# KiCad board Eclipse60.kicad_pcb (continued)
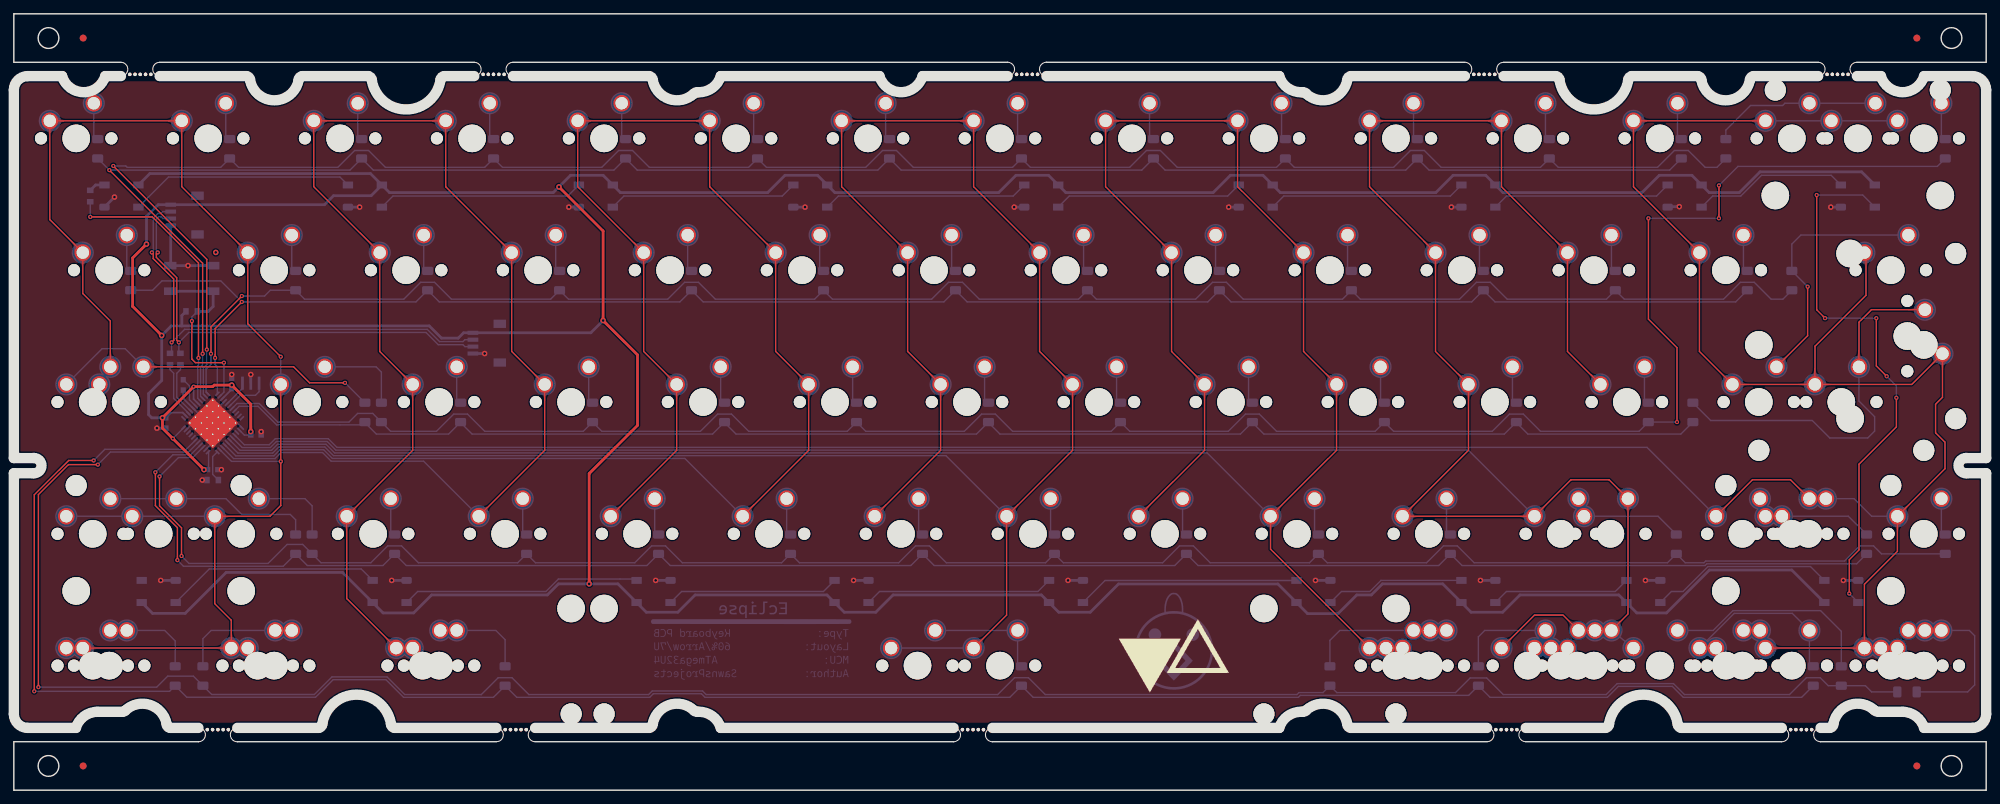
[diagram p0: board, top side]
## Copper pours and planes (outline as drawn; the poured copper is in the pictures) (continued)
C1 on Top: 53.44,22.16 53.51,22.09 53.57,22.01 53.63,21.95 53.68,21.88 53.72,21.81 53.76,21.75 53.79,21.69 53.82,21.62 53.84,21.56 53.86,21.5 53.88,21.44 53.89,21.38 53.9,21.32 53.91,21.27 53.94,20.7 53.95,20.62 53.96,20.55 53.97,20.48 53.99,20.4 54.01,20.32 54.03,20.23 54.06,20.15 55.62,20.12 55.59,21.67 55.5,21.7 55.42,21.73 55.34,21.75 55.26,21.76 55.18,21.78 55.11,21.79 55.04,21.79 54.47,21.83 54.41,21.84 54.35,21.85 54.29,21.86 54.23,21.88 54.17,21.89 54.11,21.92 54.05,21.95 53.99,21.98 53.92,22.02 53.86,22.06 53.79,22.11 53.72,22.17 53.65,22.23 53.58,22.3
C1 on Top: 48.15,37.2 48.15,37.3 48.16,37.4 48.17,37.49 48.18,37.57 48.2,37.65 48.22,37.72 48.24,37.79 48.26,37.85 48.29,37.91 48.32,37.96 48.35,38.02 48.38,38.07 48.41,38.12 48.45,38.17 48.83,38.59 48.87,38.65 48.92,38.71 48.96,38.77 49.01,38.84 49.05,38.91 49.09,38.99 49.13,39.07 48.05,40.19 46.97,39.07 47.01,38.99 47.06,38.91 47.1,38.84 47.14,38.77 47.19,38.71 47.23,38.65 47.28,38.59 47.65,38.17 47.69,38.12 47.73,38.07 47.76,38.02 47.79,37.96 47.82,37.91 47.84,37.85 47.87,37.79 47.89,37.72 47.91,37.65 47.92,37.57 47.94,37.49 47.95,37.4 47.95,37.3 47.95,37.2
C1 on Bottom: 64.78,41.77 64.87,41.68 64.96,41.58 65.03,41.49 65.1,41.4 65.16,41.31 65.21,41.22 65.25,41.14 65.28,41.06 65.31,40.97 65.34,40.89 65.36,40.81 65.38,40.73 65.39,40.65 65.4,40.57 65.4,40.49 65.41,40.41 65.42,39.99 65.43,39.9 65.43,39.8 65.44,39.71 65.46,39.61 65.47,39.51 65.49,39.4 65.52,39.29 65.55,39.18 65.59,39.06 67.67,39.02 67.63,41.1 67.51,41.14 67.4,41.17 67.29,41.2 67.18,41.22 67.08,41.24 66.98,41.25 66.89,41.26 66.8,41.27 66.7,41.27 66.28,41.28 66.2,41.29 66.12,41.3 66.04,41.3 65.96,41.32 65.88,41.33 65.8,41.35 65.72,41.38 65.64,41.41 65.55,41.44 65.47,41.49 65.38,41.54 65.29,41.6 65.2,41.66 65.11,41.74 65.02,41.82 64.92,41.92
C1 on Bottom: 65.34,41.21 65.41,41.14 65.48,41.06 65.53,41 65.58,40.93 65.63,40.86 65.66,40.8 65.7,40.74 65.72,40.67 65.75,40.61 65.77,40.55 65.78,40.49 65.8,40.43 65.81,40.37 65.81,40.32 65.85,39.75 65.86,39.67 65.87,39.6 65.88,39.53 65.9,39.45 65.92,39.37 65.94,39.28 65.97,39.2 67.53,39.17 67.5,40.72 67.41,40.75 67.33,40.78 67.24,40.8 67.17,40.81 67.09,40.83 67.02,40.84 66.95,40.84 66.38,40.88 66.32,40.89 66.26,40.9 66.2,40.91 66.14,40.93 66.08,40.94 66.02,40.97 65.96,41 65.89,41.03 65.83,41.07 65.76,41.11 65.7,41.16 65.63,41.22 65.56,41.28 65.48,41.35
C2 on Top: 110.07,75.3 110.07,75.4 110.07,75.5 110.08,75.59 110.09,75.67 110.11,75.75 110.13,75.82 110.15,75.89 110.17,75.95 110.2,76.01 110.23,76.06 110.26,76.12 110.29,76.17 110.33,76.22 110.36,76.27 110.74,76.69 110.79,76.75 110.83,76.81 110.87,76.87 110.92,76.94 110.96,77.01 111,77.09 111.05,77.17 109.97,78.29 108.89,77.17 108.93,77.09 108.97,77.01 109.01,76.94 109.06,76.87 109.1,76.81 109.14,76.75 109.19,76.69 109.57,76.27 109.6,76.22 109.64,76.17 109.67,76.12 109.7,76.06 109.73,76.01 109.76,75.95 109.78,75.89 109.8,75.82 109.82,75.75 109.84,75.67 109.85,75.59 109.86,75.5 109.86,75.4 109.87,75.3
C2 on Top: 81.49,94.35 81.49,94.45 81.5,94.55 81.51,94.64 81.52,94.72 81.53,94.8 81.55,94.87 81.57,94.94 81.6,95 81.62,95.06 81.65,95.11 81.68,95.17 81.72,95.22 81.75,95.27 81.79,95.32 82.17,95.74 82.21,95.8 82.26,95.86 82.3,95.92 82.34,95.99 82.39,96.06 82.43,96.14 82.47,96.22 81.39,97.34 80.31,96.22 80.35,96.14 80.39,96.06 80.44,95.99 80.48,95.92 80.52,95.86 80.57,95.8 80.61,95.74 80.99,95.32 81.03,95.27 81.06,95.22 81.1,95.17 81.13,95.11 81.16,95.06 81.18,95 81.21,94.94 81.23,94.87 81.25,94.8 81.26,94.72 81.27,94.64 81.28,94.55 81.29,94.45 81.29,94.35
C2 on Top: 108.2,79.31 108.28,79.24 108.34,79.16 108.39,79.1 108.44,79.03 108.49,78.96 108.53,78.9 108.56,78.84 108.59,78.77 108.61,78.71 108.63,78.65 108.65,78.59 108.66,78.53 108.67,78.47 108.68,78.42 108.71,77.85 108.72,77.77 108.73,77.7 108.74,77.63 108.76,77.55 108.78,77.47 108.8,77.38 108.83,77.3 110.39,77.27 110.36,78.82 110.27,78.85 110.19,78.88 110.11,78.9 110.03,78.91 109.95,78.93 109.88,78.94 109.81,78.94 109.24,78.98 109.18,78.99 109.12,79 109.06,79.01 109,79.03 108.94,79.04 108.88,79.07 108.82,79.1 108.76,79.13 108.69,79.17 108.63,79.21 108.56,79.26 108.49,79.32 108.42,79.38 108.35,79.45
C2 on Top: 100.54,94.35 100.54,94.45 100.55,94.55 100.56,94.64 100.57,94.72 100.58,94.8 100.6,94.87 100.62,94.94 100.65,95 100.67,95.06 100.7,95.11 100.73,95.17 100.77,95.22 100.8,95.27 100.84,95.32 101.22,95.74 101.26,95.8 101.31,95.86 101.35,95.92 101.39,95.99 101.44,96.06 101.48,96.14 101.52,96.22 100.44,97.34 99.36,96.22 99.4,96.14 99.44,96.06 99.49,95.99 99.53,95.92 99.57,95.86 99.62,95.8 99.66,95.74 100.04,95.32 100.08,95.27 100.11,95.22 100.15,95.17 100.18,95.11 100.21,95.06 100.23,95 100.26,94.94 100.28,94.87 100.3,94.8 100.31,94.72 100.32,94.64 100.33,94.55 100.34,94.45 100.34,94.35
C2 on Top: 91.02,75.3 91.02,75.4 91.02,75.5 91.03,75.59 91.04,75.67 91.06,75.75 91.08,75.82 91.1,75.89 91.12,75.95 91.15,76.01 91.18,76.06 91.21,76.12 91.24,76.17 91.28,76.22 91.31,76.27 91.69,76.69 91.74,76.75 91.78,76.81 91.82,76.87 91.87,76.94 91.91,77.01 91.95,77.09 92,77.17 90.92,78.29 89.84,77.17 89.88,77.09 89.92,77.01 89.96,76.94 90.01,76.87 90.05,76.81 90.09,76.75 90.14,76.69 90.52,76.27 90.55,76.22 90.59,76.17 90.62,76.12 90.65,76.06 90.68,76.01 90.71,75.95 90.73,75.89 90.75,75.82 90.77,75.75 90.79,75.67 90.8,75.59 90.81,75.5 90.81,75.4 90.82,75.3
C2 on Top: 93.92,60.26 93.99,60.19 94.05,60.11 94.11,60.05 94.16,59.98 94.2,59.91 94.24,59.85 94.27,59.79 94.3,59.72 94.32,59.66 94.34,59.6 94.36,59.54 94.37,59.48 94.38,59.42 94.39,59.37 94.42,58.8 94.43,58.72 94.44,58.65 94.46,58.58 94.47,58.5 94.49,58.42 94.52,58.33 94.54,58.25 96.1,58.22 96.07,59.77 95.98,59.8 95.9,59.83 95.82,59.85 95.74,59.86 95.67,59.88 95.59,59.89 95.52,59.89 94.95,59.93 94.89,59.94 94.83,59.95 94.77,59.96 94.71,59.98 94.65,59.99 94.59,60.02 94.53,60.05 94.47,60.08 94.4,60.12 94.34,60.16 94.27,60.21 94.2,60.27 94.13,60.33 94.06,60.4
C2 on Top: 87.77,41.35 87.7,41.28 87.63,41.22 87.56,41.16 87.49,41.11 87.43,41.07 87.36,41.03 87.3,41 87.24,40.97 87.18,40.94 87.12,40.93 87.06,40.91 87,40.9 86.94,40.89 86.88,40.88 86.31,40.84 86.24,40.84 86.16,40.83 86.09,40.81 86.01,40.8 85.93,40.78 85.85,40.75 85.76,40.72 85.73,39.17 87.29,39.2 87.31,39.28 87.34,39.37 87.36,39.45 87.37,39.53 87.39,39.6 87.4,39.67 87.41,39.75 87.44,40.32 87.45,40.37 87.46,40.43 87.47,40.49 87.49,40.55 87.51,40.61 87.53,40.67 87.56,40.74 87.59,40.8 87.63,40.86 87.67,40.93 87.72,41 87.78,41.06 87.84,41.14 87.91,41.21
C2 on Top: 95.78,56.25 95.78,56.35 95.78,56.45 95.79,56.54 95.81,56.62 95.82,56.7 95.84,56.77 95.86,56.84 95.89,56.9 95.91,56.96 95.94,57.01 95.97,57.07 96,57.12 96.04,57.17 96.08,57.22 96.45,57.64 96.5,57.7 96.54,57.76 96.59,57.82 96.63,57.89 96.67,57.96 96.72,58.04 96.76,58.12 95.68,59.24 94.6,58.12 94.64,58.04 94.68,57.96 94.72,57.89 94.77,57.82 94.81,57.76 94.86,57.7 94.9,57.64 95.28,57.22 95.32,57.17 95.35,57.12 95.38,57.07 95.41,57.01 95.44,56.96 95.47,56.9 95.49,56.84 95.51,56.77 95.53,56.7 95.55,56.62 95.56,56.54 95.57,56.45 95.58,56.35 95.58,56.25
C2 on Top: 106.82,41.35 106.75,41.28 106.68,41.22 106.61,41.16 106.54,41.11 106.48,41.07 106.41,41.03 106.35,41 106.29,40.97 106.23,40.94 106.17,40.93 106.11,40.91 106.05,40.9 105.99,40.89 105.93,40.88 105.36,40.84 105.29,40.84 105.21,40.83 105.14,40.81 105.06,40.8 104.98,40.78 104.9,40.75 104.81,40.72 104.78,39.17 106.34,39.2 106.36,39.28 106.39,39.37 106.41,39.45 106.42,39.53 106.44,39.6 106.45,39.67 106.46,39.75 106.49,40.32 106.5,40.37 106.51,40.43 106.52,40.49 106.54,40.55 106.56,40.61 106.58,40.67 106.61,40.74 106.64,40.8 106.68,40.86 106.72,40.93 106.77,41 106.83,41.06 106.89,41.14 106.96,41.21
C2 on Top: 114.83,56.25 114.83,56.35 114.83,56.45 114.84,56.54 114.86,56.62 114.87,56.7 114.89,56.77 114.91,56.84 114.94,56.9 114.96,56.96 114.99,57.01 115.02,57.07 115.05,57.12 115.09,57.17 115.13,57.22 115.5,57.64 115.55,57.7 115.59,57.76 115.64,57.82 115.68,57.89 115.72,57.96 115.77,58.04 115.81,58.12 114.73,59.24 113.65,58.12 113.69,58.04 113.73,57.96 113.77,57.89 113.82,57.82 113.86,57.76 113.91,57.7 113.95,57.64 114.33,57.22 114.37,57.17 114.4,57.12 114.43,57.07 114.46,57.01 114.49,56.96 114.52,56.9 114.54,56.84 114.56,56.77 114.58,56.7 114.6,56.62 114.61,56.54 114.62,56.45 114.63,56.35 114.63,56.25
C2 on Top: 83.78,96.84 83.68,96.84 83.58,96.85 83.49,96.86 83.41,96.87 83.33,96.88 83.26,96.9 83.19,96.92 83.13,96.95 83.07,96.97 83.02,97 82.96,97.03 82.91,97.07 82.86,97.1 82.81,97.14 82.39,97.52 82.33,97.56 82.27,97.61 82.21,97.65 82.14,97.69 82.07,97.74 81.99,97.78 81.91,97.82 80.79,96.74 81.91,95.66 81.99,95.7 82.07,95.74 82.14,95.79 82.21,95.83 82.27,95.87 82.33,95.92 82.39,95.96 82.81,96.34 82.86,96.38 82.91,96.41 82.96,96.45 83.02,96.48 83.07,96.51 83.13,96.53 83.19,96.56 83.26,96.58 83.33,96.6 83.41,96.61 83.49,96.62 83.58,96.63 83.68,96.64 83.78,96.64
C2 on Top: 112.97,60.26 113.04,60.19 113.1,60.11 113.16,60.05 113.21,59.98 113.25,59.91 113.29,59.85 113.32,59.79 113.35,59.72 113.37,59.66 113.39,59.6 113.41,59.54 113.42,59.48 113.43,59.42 113.44,59.37 113.47,58.8 113.48,58.72 113.49,58.65 113.51,58.58 113.52,58.5 113.54,58.42 113.57,58.33 113.59,58.25 115.15,58.22 115.12,59.77 115.03,59.8 114.95,59.83 114.87,59.85 114.79,59.86 114.72,59.88 114.64,59.89 114.57,59.89 114,59.93 113.94,59.94 113.88,59.95 113.82,59.96 113.76,59.98 113.7,59.99 113.64,60.02 113.58,60.05 113.52,60.08 113.45,60.12 113.39,60.16 113.32,60.21 113.25,60.27 113.18,60.33 113.11,60.4
C2 on Top: 98.05,96.64 98.15,96.64 98.25,96.63 98.34,96.62 98.42,96.61 98.5,96.6 98.57,96.58 98.64,96.56 98.7,96.53 98.76,96.51 98.81,96.48 98.87,96.45 98.92,96.41 98.97,96.38 99.02,96.34 99.44,95.96 99.5,95.92 99.56,95.87 99.62,95.83 99.69,95.79 99.76,95.74 99.84,95.7 99.92,95.66 101.04,96.74 99.92,97.82 99.84,97.78 99.76,97.74 99.69,97.69 99.62,97.65 99.56,97.61 99.5,97.56 99.44,97.52 99.02,97.14 98.97,97.1 98.92,97.07 98.87,97.03 98.81,97 98.76,96.97 98.7,96.95 98.64,96.92 98.57,96.9 98.5,96.88 98.42,96.87 98.34,96.86 98.25,96.85 98.15,96.84 98.05,96.84
C2 on Top: 89.15,79.31 89.23,79.24 89.29,79.16 89.34,79.1 89.39,79.03 89.44,78.96 89.48,78.9 89.51,78.84 89.54,78.77 89.56,78.71 89.58,78.65 89.6,78.59 89.61,78.53 89.62,78.47 89.63,78.42 89.66,77.85 89.67,77.77 89.68,77.7 89.69,77.63 89.71,77.55 89.73,77.47 89.75,77.38 89.78,77.3 91.34,77.27 91.31,78.82 91.22,78.85 91.14,78.88 91.06,78.9 90.98,78.91 90.9,78.93 90.83,78.94 90.76,78.94 90.19,78.98 90.13,78.99 90.07,79 90.01,79.01 89.95,79.03 89.89,79.04 89.83,79.07 89.77,79.1 89.71,79.13 89.64,79.17 89.58,79.21 89.51,79.26 89.44,79.32 89.37,79.38 89.3,79.45
C2 on Bottom: 102.88,41.77 102.97,41.68 103.06,41.58 103.13,41.49 103.2,41.4 103.26,41.31 103.31,41.22 103.35,41.14 103.38,41.06 103.41,40.97 103.44,40.89 103.46,40.81 103.48,40.73 103.49,40.65 103.5,40.57 103.5,40.49 103.51,40.41 103.52,39.99 103.53,39.9 103.53,39.8 103.54,39.71 103.56,39.61 103.57,39.51 103.59,39.4 103.62,39.29 103.65,39.18 103.69,39.06 105.77,39.02 105.73,41.1 105.61,41.14 105.5,41.17 105.39,41.2 105.28,41.22 105.18,41.24 105.08,41.25 104.99,41.26 104.9,41.27 104.8,41.27 104.38,41.28 104.3,41.29 104.22,41.3 104.14,41.3 104.06,41.32 103.98,41.33 103.9,41.35 103.82,41.38 103.74,41.41 103.65,41.44 103.57,41.49 103.48,41.54 103.39,41.6 103.3,41.66 103.21,41.74 103.12,41.82 103.02,41.92
C2 on Bottom: 103.44,41.21 103.51,41.14 103.58,41.06 103.63,41 103.68,40.93 103.73,40.86 103.76,40.8 103.8,40.74 103.82,40.67 103.85,40.61 103.87,40.55 103.88,40.49 103.9,40.43 103.91,40.37 103.91,40.32 103.95,39.75 103.96,39.67 103.97,39.6 103.98,39.53 104,39.45 104.02,39.37 104.04,39.28 104.07,39.2 105.63,39.17 105.6,40.72 105.51,40.75 105.43,40.78 105.34,40.8 105.27,40.81 105.19,40.83 105.12,40.84 105.05,40.84 104.48,40.88 104.42,40.89 104.36,40.9 104.3,40.91 104.24,40.93 104.18,40.94 104.12,40.97 104.06,41 103.99,41.03 103.93,41.07 103.86,41.11 103.8,41.16 103.73,41.22 103.66,41.28 103.58,41.35
C3 on Top: 121.88,96.84 121.78,96.84 121.68,96.85 121.59,96.86 121.51,96.87 121.43,96.88 121.36,96.9 121.29,96.92 121.23,96.95 121.17,96.97 121.12,97 121.06,97.03 121.01,97.07 120.96,97.1 120.91,97.14 120.49,97.52 120.43,97.56 120.37,97.61 120.31,97.65 120.24,97.69 120.17,97.74 120.09,97.78 120.01,97.82 118.89,96.74 120.01,95.66 120.09,95.7 120.17,95.74 120.24,95.79 120.31,95.83 120.37,95.87 120.43,95.92 120.49,95.96 120.91,96.34 120.96,96.38 121.01,96.41 121.06,96.45 121.12,96.48 121.17,96.51 121.23,96.53 121.29,96.56 121.36,96.58 121.43,96.6 121.51,96.61 121.59,96.62 121.68,96.63 121.78,96.64 121.88,96.64
C3 on Top: 136.15,96.64 136.25,96.64 136.35,96.63 136.44,96.62 136.52,96.61 136.6,96.6 136.67,96.58 136.74,96.56 136.8,96.53 136.86,96.51 136.91,96.48 136.97,96.45 137.02,96.41 137.07,96.38 137.12,96.34 137.54,95.96 137.6,95.92 137.66,95.87 137.72,95.83 137.79,95.79 137.86,95.74 137.94,95.7 138.02,95.66 139.14,96.74 138.02,97.82 137.94,97.78 137.86,97.74 137.79,97.69 137.72,97.65 137.66,97.61 137.6,97.56 137.54,97.52 137.12,97.14 137.07,97.1 137.02,97.07 136.97,97.03 136.91,97 136.86,96.97 136.8,96.95 136.74,96.92 136.67,96.9 136.6,96.88 136.52,96.87 136.44,96.86 136.35,96.85 136.25,96.84 136.15,96.84
C3 on Top: 146.3,79.31 146.38,79.24 146.44,79.16 146.49,79.1 146.54,79.03 146.59,78.96 146.63,78.9 146.66,78.84 146.69,78.77 146.71,78.71 146.73,78.65 146.75,78.59 146.76,78.53 146.77,78.47 146.78,78.42 146.81,77.85 146.82,77.77 146.83,77.7 146.84,77.63 146.86,77.55 146.88,77.47 146.9,77.38 146.93,77.3 148.49,77.27 148.46,78.82 148.37,78.85 148.29,78.88 148.21,78.9 148.13,78.91 148.05,78.93 147.98,78.94 147.91,78.94 147.34,78.98 147.28,78.99 147.22,79 147.16,79.01 147.1,79.03 147.04,79.04 146.98,79.07 146.92,79.1 146.86,79.13 146.79,79.17 146.73,79.21 146.66,79.26 146.59,79.32 146.52,79.38 146.45,79.45
C3 on Top: 151.07,60.26 151.14,60.19 151.2,60.11 151.26,60.05 151.31,59.98 151.35,59.91 151.39,59.85 151.42,59.79 151.45,59.72 151.47,59.66 151.49,59.6 151.51,59.54 151.52,59.48 151.53,59.42 151.54,59.37 151.57,58.8 151.58,58.72 151.59,58.65 151.61,58.58 151.62,58.5 151.64,58.42 151.67,58.33 151.69,58.25 153.25,58.22 153.22,59.77 153.13,59.8 153.05,59.83 152.97,59.85 152.89,59.86 152.82,59.88 152.74,59.89 152.67,59.89 152.1,59.93 152.04,59.94 151.98,59.95 151.92,59.96 151.86,59.98 151.8,59.99 151.74,60.02 151.68,60.05 151.62,60.08 151.55,60.12 151.49,60.16 151.42,60.21 151.35,60.27 151.28,60.33 151.21,60.4
C3 on Top: 148.17,75.3 148.17,75.4 148.17,75.5 148.18,75.59 148.19,75.67 148.21,75.75 148.23,75.82 148.25,75.89 148.27,75.95 148.3,76.01 148.33,76.06 148.36,76.12 148.39,76.17 148.43,76.22 148.46,76.27 148.84,76.69 148.89,76.75 148.93,76.81 148.97,76.87 149.02,76.94 149.06,77.01 149.1,77.09 149.15,77.17 148.07,78.29 146.99,77.17 147.03,77.09 147.07,77.01 147.11,76.94 147.16,76.87 147.2,76.81 147.24,76.75 147.29,76.69 147.67,76.27 147.7,76.22 147.74,76.17 147.77,76.12 147.8,76.06 147.83,76.01 147.86,75.95 147.88,75.89 147.9,75.82 147.92,75.75 147.94,75.67 147.95,75.59 147.96,75.5 147.96,75.4 147.97,75.3
C3 on Top: 127.25,79.31 127.33,79.24 127.39,79.16 127.44,79.1 127.49,79.03 127.54,78.96 127.58,78.9 127.61,78.84 127.64,78.77 127.66,78.71 127.68,78.65 127.7,78.59 127.71,78.53 127.72,78.47 127.73,78.42 127.76,77.85 127.77,77.77 127.78,77.7 127.79,77.63 127.81,77.55 127.83,77.47 127.85,77.38 127.88,77.3 129.44,77.27 129.41,78.82 129.32,78.85 129.24,78.88 129.16,78.9 129.08,78.91 129,78.93 128.93,78.94 128.86,78.94 128.29,78.98 128.23,78.99 128.17,79 128.11,79.01 128.05,79.03 127.99,79.04 127.93,79.07 127.87,79.1 127.81,79.13 127.74,79.17 127.68,79.21 127.61,79.26 127.54,79.32 127.47,79.38 127.4,79.45
C3 on Top: 125.87,41.35 125.8,41.28 125.73,41.22 125.66,41.16 125.59,41.11 125.53,41.07 125.46,41.03 125.4,41 125.34,40.97 125.28,40.94 125.22,40.93 125.16,40.91 125.1,40.9 125.04,40.89 124.98,40.88 124.41,40.84 124.34,40.84 124.26,40.83 124.19,40.81 124.11,40.8 124.03,40.78 123.95,40.75 123.86,40.72 123.83,39.17 125.39,39.2 125.41,39.28 125.44,39.37 125.46,39.45 125.47,39.53 125.49,39.6 125.5,39.67 125.51,39.75 125.54,40.32 125.55,40.37 125.56,40.43 125.57,40.49 125.59,40.55 125.61,40.61 125.63,40.67 125.66,40.74 125.69,40.8 125.73,40.86 125.77,40.93 125.82,41 125.88,41.06 125.94,41.14 126.01,41.21
C3 on Top: 138.64,94.35 138.64,94.45 138.65,94.55 138.66,94.64 138.67,94.72 138.68,94.8 138.7,94.87 138.72,94.94 138.75,95 138.77,95.06 138.8,95.11 138.83,95.17 138.87,95.22 138.9,95.27 138.94,95.32 139.32,95.74 139.36,95.8 139.41,95.86 139.45,95.92 139.49,95.99 139.54,96.06 139.58,96.14 139.62,96.22 138.54,97.34 137.46,96.22 137.5,96.14 137.54,96.06 137.59,95.99 137.63,95.92 137.67,95.86 137.72,95.8 137.76,95.74 138.14,95.32 138.18,95.27 138.21,95.22 138.25,95.17 138.28,95.11 138.31,95.06 138.33,95 138.36,94.94 138.38,94.87 138.4,94.8 138.41,94.72 138.42,94.64 138.43,94.55 138.44,94.45 138.44,94.35
C3 on Top: 132.02,60.26 132.09,60.19 132.15,60.11 132.21,60.05 132.26,59.98 132.3,59.91 132.34,59.85 132.37,59.79 132.4,59.72 132.42,59.66 132.44,59.6 132.46,59.54 132.47,59.48 132.48,59.42 132.49,59.37 132.52,58.8 132.53,58.72 132.54,58.65 132.56,58.58 132.57,58.5 132.59,58.42 132.62,58.33 132.64,58.25 134.2,58.22 134.17,59.77 134.08,59.8 134,59.83 133.92,59.85 133.84,59.86 133.77,59.88 133.69,59.89 133.62,59.89 133.05,59.93 132.99,59.94 132.93,59.95 132.87,59.96 132.81,59.98 132.75,59.99 132.69,60.02 132.63,60.05 132.57,60.08 132.5,60.12 132.44,60.16 132.37,60.21 132.3,60.27 132.23,60.33 132.16,60.4
C3 on Top: 133.88,56.25 133.88,56.35 133.88,56.45 133.89,56.54 133.91,56.62 133.92,56.7 133.94,56.77 133.96,56.84 133.99,56.9 134.01,56.96 134.04,57.01 134.07,57.07 134.1,57.12 134.14,57.17 134.18,57.22 134.55,57.64 134.6,57.7 134.64,57.76 134.69,57.82 134.73,57.89 134.77,57.96 134.82,58.04 134.86,58.12 133.78,59.24 132.7,58.12 132.74,58.04 132.78,57.96 132.82,57.89 132.87,57.82 132.91,57.76 132.96,57.7 133,57.64 133.38,57.22 133.42,57.17 133.45,57.12 133.48,57.07 133.51,57.01 133.54,56.96 133.57,56.9 133.59,56.84 133.61,56.77 133.63,56.7 133.65,56.62 133.66,56.54 133.67,56.45 133.68,56.35 133.68,56.25
C3 on Top: 129.12,75.3 129.12,75.4 129.12,75.5 129.13,75.59 129.14,75.67 129.16,75.75 129.18,75.82 129.2,75.89 129.22,75.95 129.25,76.01 129.28,76.06 129.31,76.12 129.34,76.17 129.38,76.22 129.41,76.27 129.79,76.69 129.84,76.75 129.88,76.81 129.92,76.87 129.97,76.94 130.01,77.01 130.05,77.09 130.1,77.17 129.02,78.29 127.94,77.17 127.98,77.09 128.02,77.01 128.06,76.94 128.11,76.87 128.15,76.81 128.19,76.75 128.24,76.69 128.62,76.27 128.65,76.22 128.69,76.17 128.72,76.12 128.75,76.06 128.78,76.01 128.81,75.95 128.83,75.89 128.85,75.82 128.87,75.75 128.89,75.67 128.9,75.59 128.91,75.5 128.91,75.4 128.92,75.3
C3 on Top: 144.92,41.35 144.85,41.28 144.78,41.22 144.71,41.16 144.64,41.11 144.58,41.07 144.51,41.03 144.45,41 144.39,40.97 144.33,40.94 144.27,40.93 144.21,40.91 144.15,40.9 144.09,40.89 144.03,40.88 143.46,40.84 143.39,40.84 143.31,40.83 143.24,40.81 143.16,40.8 143.08,40.78 143,40.75 142.91,40.72 142.88,39.17 144.44,39.2 144.46,39.28 144.49,39.37 144.51,39.45 144.52,39.53 144.54,39.6 144.55,39.67 144.56,39.75 144.59,40.32 144.6,40.37 144.61,40.43 144.62,40.49 144.64,40.55 144.66,40.61 144.68,40.67 144.71,40.74 144.74,40.8 144.78,40.86 144.82,40.93 144.87,41 144.93,41.06 144.99,41.14 145.06,41.21
C3 on Top: 119.59,94.35 119.59,94.45 119.6,94.55 119.61,94.64 119.62,94.72 119.63,94.8 119.65,94.87 119.67,94.94 119.7,95 119.72,95.06 119.75,95.11 119.78,95.17 119.82,95.22 119.85,95.27 119.89,95.32 120.27,95.74 120.31,95.8 120.36,95.86 120.4,95.92 120.44,95.99 120.49,96.06 120.53,96.14 120.57,96.22 119.49,97.34 118.41,96.22 118.45,96.14 118.49,96.06 118.54,95.99 118.58,95.92 118.62,95.86 118.67,95.8 118.71,95.74 119.09,95.32 119.13,95.27 119.16,95.22 119.2,95.17 119.23,95.11 119.26,95.06 119.28,95 119.31,94.94 119.33,94.87 119.35,94.8 119.36,94.72 119.37,94.64 119.38,94.55 119.39,94.45 119.39,94.35
C3 on Top: 152.93,56.25 152.93,56.35 152.93,56.45 152.94,56.54 152.96,56.62 152.97,56.7 152.99,56.77 153.01,56.84 153.04,56.9 153.06,56.96 153.09,57.01 153.12,57.07 153.15,57.12 153.19,57.17 153.23,57.22 153.6,57.64 153.65,57.7 153.69,57.76 153.74,57.82 153.78,57.89 153.82,57.96 153.87,58.04 153.91,58.12 152.83,59.24 151.75,58.12 151.79,58.04 151.83,57.96 151.87,57.89 151.92,57.82 151.96,57.76 152.01,57.7 152.05,57.64 152.43,57.22 152.47,57.17 152.5,57.12 152.53,57.07 152.56,57.01 152.59,56.96 152.62,56.9 152.64,56.84 152.66,56.77 152.68,56.7 152.7,56.62 152.71,56.54 152.72,56.45 152.73,56.35 152.73,56.25
C3 on Top: 143.4,37.2 143.4,37.3 143.41,37.4 143.42,37.49 143.43,37.57 143.45,37.65 143.47,37.72 143.49,37.79 143.51,37.85 143.54,37.91 143.57,37.96 143.6,38.02 143.63,38.07 143.66,38.12 143.7,38.17 144.08,38.59 144.12,38.65 144.17,38.71 144.21,38.77 144.26,38.84 144.3,38.91 144.34,38.99 144.38,39.07 143.3,40.19 142.22,39.07 142.26,38.99 142.31,38.91 142.35,38.84 142.39,38.77 142.44,38.71 142.48,38.65 142.53,38.59 142.9,38.17 142.94,38.12 142.98,38.07 143.01,38.02 143.04,37.96 143.07,37.91 143.09,37.85 143.12,37.79 143.14,37.72 143.16,37.65 143.17,37.57 143.19,37.49 143.2,37.4 143.2,37.3 143.2,37.2
C3 on Top: 140.16,22.3 140.09,22.23 140.01,22.17 139.95,22.11 139.88,22.06 139.81,22.02 139.75,21.98 139.69,21.95 139.62,21.92 139.56,21.89 139.5,21.88 139.44,21.86 139.38,21.85 139.32,21.84 139.27,21.83 138.7,21.79 138.62,21.79 138.55,21.78 138.48,21.76 138.4,21.75 138.32,21.73 138.23,21.7 138.15,21.67 138.12,20.12 139.67,20.15 139.7,20.23 139.73,20.32 139.75,20.4 139.76,20.48 139.78,20.55 139.79,20.62 139.79,20.7 139.83,21.27 139.84,21.32 139.85,21.38 139.86,21.44 139.88,21.5 139.89,21.56 139.92,21.62 139.95,21.69 139.98,21.75 140.02,21.81 140.06,21.88 140.11,21.95 140.17,22.01 140.23,22.09 140.3,22.16
C3 on Bottom: 140.98,41.77 141.07,41.68 141.16,41.58 141.23,41.49 141.3,41.4 141.36,41.31 141.41,41.22 141.45,41.14 141.48,41.06 141.51,40.97 141.54,40.89 141.56,40.81 141.58,40.73 141.59,40.65 141.6,40.57 141.6,40.49 141.61,40.41 141.62,39.99 141.63,39.9 141.63,39.8 141.64,39.71 141.66,39.61 141.67,39.51 141.69,39.4 141.72,39.29 141.75,39.18 141.79,39.06 143.87,39.02 143.83,41.1 143.71,41.14 143.6,41.17 143.49,41.2 143.38,41.22 143.28,41.24 143.18,41.25 143.09,41.26 143,41.27 142.9,41.27 142.48,41.28 142.4,41.29 142.32,41.3 142.24,41.3 142.16,41.32 142.08,41.33 142,41.35 141.92,41.38 141.84,41.41 141.75,41.44 141.67,41.49 141.58,41.54 141.49,41.6 141.4,41.66 141.31,41.74 141.22,41.82 141.12,41.92
C3 on Bottom: 135.35,20.44 135.49,20.44 135.61,20.43 135.73,20.42 135.84,20.4 135.95,20.38 136.04,20.35 136.13,20.32 136.22,20.29 136.3,20.25 136.37,20.21 136.44,20.17 136.51,20.13 136.58,20.08 136.64,20.03 136.7,19.98 136.76,19.92 137.07,19.63 137.14,19.57 137.21,19.51 137.28,19.45 137.36,19.39 137.45,19.33 137.53,19.27 137.63,19.21 137.73,19.16 137.84,19.1 139.34,20.54 137.84,21.98 137.73,21.92 137.63,21.87 137.53,21.81 137.45,21.75 137.36,21.69 137.28,21.63 137.21,21.57 137.14,21.51 137.07,21.45 136.76,21.16 136.7,21.1 136.64,21.05 136.58,21 136.51,20.95 136.44,20.91 136.37,20.86 136.3,20.83 136.22,20.79 136.13,20.76 136.04,20.73 135.95,20.7 135.84,20.68 135.73,20.66 135.61,20.65 135.49,20.64 135.35,20.64
C3 on Bottom: 141.54,41.21 141.61,41.14 141.68,41.06 141.73,41 141.78,40.93 141.83,40.86 141.86,40.8 141.9,40.74 141.92,40.67 141.95,40.61 141.97,40.55 141.98,40.49 142,40.43 142.01,40.37 142.01,40.32 142.05,39.75 142.06,39.67 142.07,39.6 142.08,39.53 142.1,39.45 142.12,39.37 142.14,39.28 142.17,39.2 143.73,39.17 143.7,40.72 143.61,40.75 143.53,40.78 143.44,40.8 143.37,40.81 143.29,40.83 143.22,40.84 143.15,40.84 142.58,40.88 142.52,40.89 142.46,40.9 142.4,40.91 142.34,40.93 142.28,40.94 142.22,40.97 142.16,41 142.09,41.03 142.03,41.07 141.96,41.11 141.9,41.16 141.83,41.22 141.76,41.28 141.68,41.35
C3 on Bottom: 136.15,20.44 136.25,20.44 136.35,20.43 136.44,20.42 136.52,20.41 136.6,20.4 136.67,20.38 136.74,20.36 136.8,20.33 136.86,20.31 136.91,20.28 136.97,20.25 137.02,20.21 137.07,20.18 137.12,20.14 137.54,19.76 137.6,19.72 137.66,19.67 137.72,19.63 137.79,19.59 137.86,19.54 137.94,19.5 138.02,19.46 139.14,20.54 138.02,21.62 137.94,21.58 137.86,21.54 137.79,21.49 137.72,21.45 137.66,21.41 137.6,21.36 137.54,21.32 137.12,20.94 137.07,20.9 137.02,20.87 136.97,20.83 136.91,20.8 136.86,20.77 136.8,20.75 136.74,20.72 136.67,20.7 136.6,20.68 136.52,20.67 136.44,20.66 136.35,20.65 136.25,20.64 136.15,20.64
C3 on Bottom: 129.82,20.64 129.69,20.64 129.56,20.65 129.44,20.66 129.33,20.68 129.23,20.7 129.13,20.73 129.04,20.76 128.96,20.79 128.88,20.83 128.8,20.86 128.73,20.91 128.66,20.95 128.6,21 128.53,21.05 128.47,21.1 128.41,21.16 128.1,21.45 128.04,21.51 127.97,21.57 127.89,21.63 127.81,21.69 127.73,21.75 127.64,21.81 127.54,21.87 127.44,21.92 127.33,21.98 125.83,20.54 127.33,19.1 127.44,19.16 127.54,19.21 127.64,19.27 127.73,19.33 127.81,19.39 127.89,19.45 127.97,19.51 128.04,19.57 128.1,19.63 128.41,19.92 128.47,19.98 128.53,20.03 128.6,20.08 128.66,20.13 128.73,20.17 128.8,20.21 128.88,20.25 128.96,20.29 129.04,20.32 129.13,20.35 129.23,20.38 129.33,20.4 129.44,20.42 129.56,20.43 129.69,20.44 129.82,20.44
C3 on Bottom: 129.02,20.64 128.92,20.64 128.83,20.65 128.74,20.66 128.66,20.67 128.58,20.68 128.51,20.7 128.44,20.72 128.37,20.75 128.32,20.77 128.26,20.8 128.21,20.83 128.15,20.87 128.11,20.9 128.06,20.94 127.63,21.32 127.57,21.36 127.52,21.41 127.45,21.45 127.39,21.49 127.31,21.54 127.24,21.58 127.16,21.62 126.03,20.54 127.16,19.46 127.24,19.5 127.31,19.54 127.39,19.59 127.45,19.63 127.52,19.67 127.57,19.72 127.63,19.76 128.06,20.14 128.11,20.18 128.15,20.21 128.21,20.25 128.26,20.28 128.32,20.31 128.37,20.33 128.44,20.36 128.51,20.38 128.58,20.4 128.66,20.41 128.74,20.42 128.83,20.43 128.92,20.44 129.02,20.44
C4 on Top: 181.5,37.2 181.5,37.3 181.51,37.4 181.52,37.49 181.53,37.57 181.55,37.65 181.57,37.72 181.59,37.79 181.61,37.85 181.64,37.91 181.67,37.96 181.7,38.02 181.73,38.07 181.76,38.12 181.8,38.17 182.18,38.59 182.22,38.65 182.27,38.71 182.31,38.77 182.36,38.84 182.4,38.91 182.44,38.99 182.48,39.07 181.4,40.19 180.32,39.07 180.36,38.99 180.41,38.91 180.45,38.84 180.49,38.77 180.54,38.71 180.58,38.65 180.63,38.59 181,38.17 181.04,38.12 181.08,38.07 181.11,38.02 181.14,37.96 181.17,37.91 181.19,37.85 181.22,37.79 181.24,37.72 181.26,37.65 181.27,37.57 181.29,37.49 181.3,37.4 181.3,37.3 181.3,37.2
